# KiCad board LV08.kicad_pcb
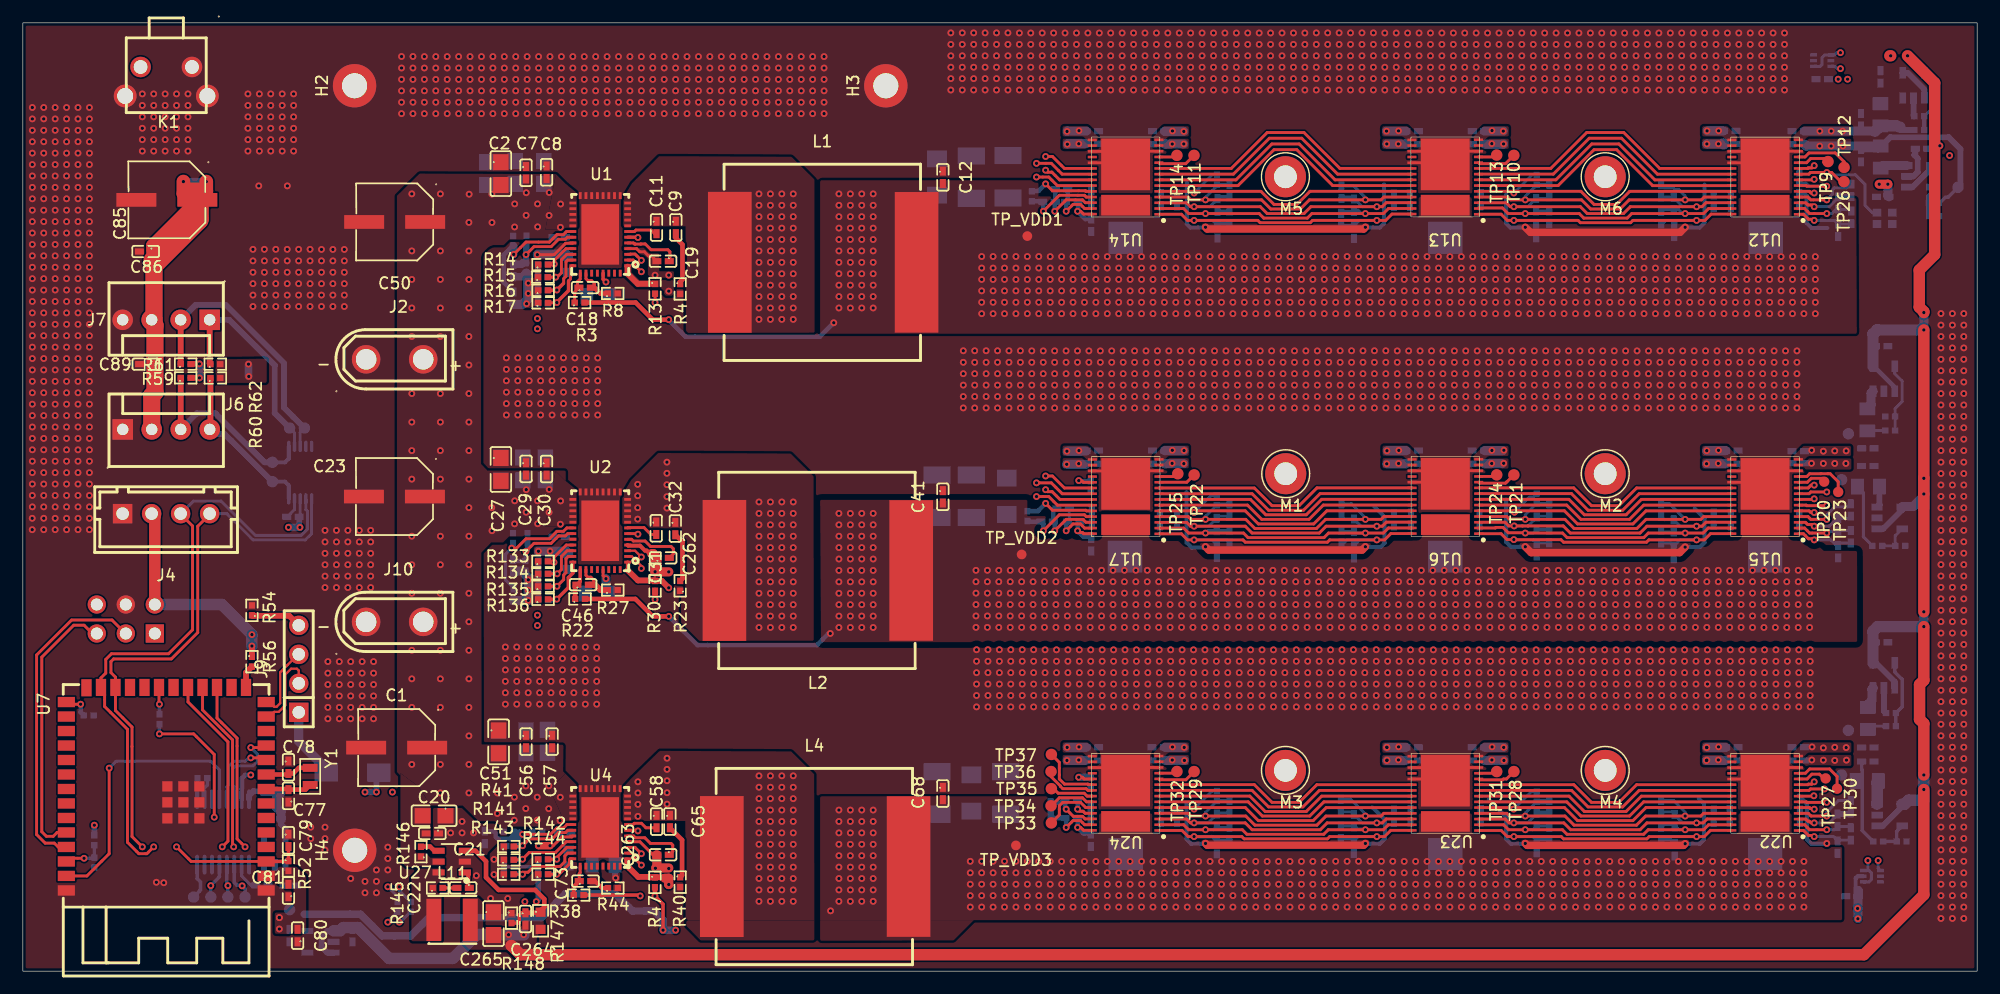
[diagram p0: board, top side]
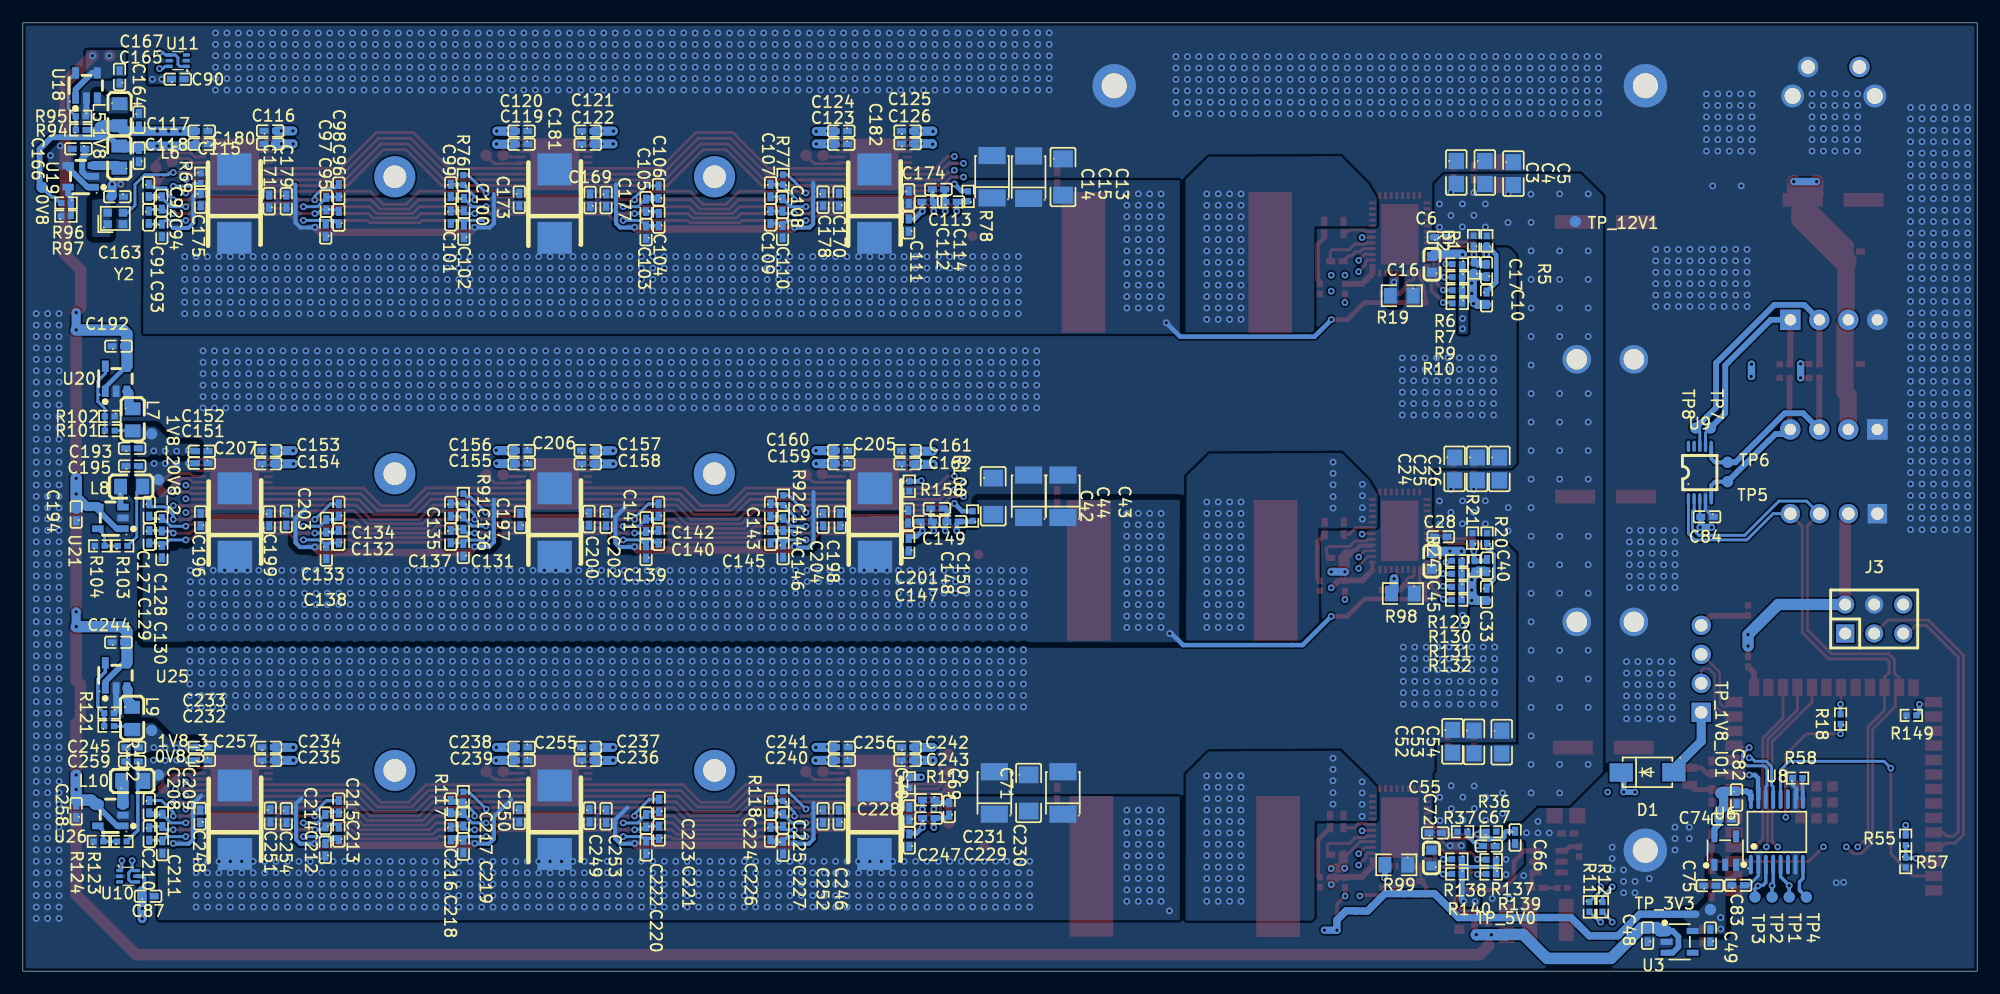
[diagram p1: board, bottom side, seen from below]

Outline 171.13 x 83.11 mm; copper layers: Top, In1.Cu, In2.Cu, In3.Cu, In4.Cu, Bottom. Coordinates in mm from the lower left corner of the outline.
Outline path: rectangle 0,83.11 171.13,0
Stack: Top 0.035mm / dielectric 0.1mm FR4 er 4.5 / In1.Cu 0.035mm / dielectric 0.535mm FR4 er 4.5 / In2.Cu 0.035mm / dielectric 0.1mm FR4 er 4.5 / In3.Cu 0.035mm / dielectric 0.535mm FR4 er 4.5 / In4.Cu 0.035mm / dielectric 0.1mm FR4 er 4.5 / Bottom 0.035mm

## Placement (name value [footprint] x y rotation side)
0V8  TestPoint  [TestPoint_Pad_D1.0mm]  169.45 68.7 180 bottom
0V8_2  TestPoint  [TestPoint_Pad_D1.0mm]  159.26 43.07 270 bottom
0V8_3  TestPoint  [TestPoint_Pad_D1.0mm]  159.26 17.2 0 bottom
1V8  TestPoint  [TestPoint_Pad_D1.0mm]  164.35 73.97 180 bottom
1V8_2  TestPoint  [TestPoint_Pad_D1.0mm]  159.86 47.09 270 bottom
1V8_3  TestPoint  [TestPoint_Pad_D1.0mm]  159.86 21.1 0 bottom
C1  220uF  [CAP-SMD_BD6.3-L6.6-W6.6-FD]  32.73 19.59 180 top
C2  22uF  [C0805]  41.86 69.9 270 top
C3  22uF  [C0805]  45.61 70 270 bottom
C4  22uF  [C0805]  43.11 70 270 bottom
C5  22uF  [C0805]  40.61 69.9 270 bottom
C6  1uF  [C0402]  46.96 64.32 180 bottom
C7  4.7nF  [C0402]  44.06 69.97 270 top
C8  2.2nF  [C0402]  45.86 70.02 270 top
C9  1nF  [C0402]  57.18 65.18 270 top
C10  1uF  [C0402]  42.96 58.97 270 bottom
C11  100nF  [C0402]  55.49 65.17 270 top
C12  2.2nF  [C0402]  80.56 69.57 270 top
C13  47uF  [C1206]  80.05 69.6 270 bottom
C14  100uF  [CASE-B_3528]  86.26 69.62 90 bottom
C15  100uF  [CASE-B_3528]  83.06 69.58 90 bottom
C16  4.7uF  [C0603]  47.74 61.95 90 bottom
C17  100nF  [C0402]  42.96 61.41 90 bottom
C18  100pF  [C0402]  49.24 59.9 0 top
C19  1uF  [C0402]  56.06 62.22 180 top
C20  22uF  [C0805]  36.01 13.62 180 top
C21  100nF  [C0402]  35.86 12.07 180 top
C22  100nF  [C0402]  38.55 7.3 180 top
C23  220uF  [CAP-SMD_BD6.3-L6.6-W6.6-FD]  32.54 41.59 180 top
C24  22uF  [C0805]  45.76 44.02 270 bottom
C25  22uF  [C0805]  43.79 44.02 270 bottom
C26  22uF  [C0805]  41.84 44.02 270 bottom
C27  22uF  [C0805]  41.86 43.97 270 top
C28  1uF  [C0402]  46.96 38.07 180 bottom
C29  4.7nF  [C0402]  44.06 44.02 270 top
C30  2.2nF  [C0402]  45.86 44.01 270 top
C31  100nF  [C0402]  55.46 38.82 270 top
C32  1nF  [C0402]  57.13 38.79 270 top
C33  1uF  [C0402]  42.96 33.02 270 bottom
C40  100nF  [C0402]  42.92 35.54 90 bottom
C41  2.2nF  [C0402]  80.56 41.57 270 top
C42  47uF  [C1206]  86.16 41.62 270 bottom
C43  100uF  [CASE-B_3528]  80.06 41.62 90 bottom
C44  100uF  [CASE-B_3528]  83.06 41.62 90 bottom
C45  4.7uF  [C0603]  47.74 35.92 90 bottom
C46  100pF  [C0402]  49.06 33.87 0 top
C48  1uF  [C0402]  28.86 3.12 90 bottom
C49  1uF  [C0402]  23.36 3.12 90 bottom
C50  220uF  [CAP-SMD_BD6.3-L6.6-W6.6-FD]  32.56 65.66 180 top
C51  22uF  [C0805]  41.66 20.09 270 top
C52  22uF  [C0805]  45.94 20.15 270 bottom
C53  22uF  [C0805]  44.06 20.1 270 bottom
C54  22uF  [C0805]  41.63 20.07 270 bottom
C55  4.7nF  [C0402]  47.46 12.12 180 bottom
C56  1uF  [C0402]  44.06 20.12 270 top
C57  2.2nF  [C0402]  46.35 20.12 270 top
C58  100nF  [C0402]  55.49 13.11 270 top
C65  1nF  [C0402]  56.66 13.12 270 top
C66  1uF  [C0402]  40.46 11.72 270 bottom
C67  100nF  [C0402]  42.76 10.97 0 bottom
C68  2.2nF  [C0402]  80.56 15.57 270 top
C69  47uF  [C1206]  83.06 15.62 270 bottom
C70  100uF  [CASE-B_3528]  86.06 15.62 90 bottom
C71  100uF  [CASE-B_3528]  80.06 15.62 90 bottom
C72  4.7uF  [C0603]  47.79 9.92 90 bottom
C73  100pF  [C0402]  49.27 7.9 0 top
C74  1uF  [C0402]  22.06 13.32 0 bottom
C75  1uF  [C0402]  23.41 7.5 180 bottom
C77  6.8pF  [C0402]  23.26 15.37 90 top
C78  6.8pF  [C0402]  23.26 17.87 270 top
C79  1uF  [C0402]  23.26 11.47 270 top
C80  100nF  [C0402]  24.06 3.12 90 top
C81  10uF  [C0402]  23.26 7.07 90 top
C82  100nF  [C0402]  21.06 15.22 270 bottom
C83  100nF  [C0402]  20.93 7.52 180 bottom
C84  100nF  [C0402]  23.66 39.82 0 bottom
C85  220uF  [CAP-SMD_BD6.3-L6.6-W6.6-FD]  12.61 67.59 180 top
C86  100nF  [C0402]  10.76 63.07 180 top
C87  100nF  [C0402]  160.16 6.57 180 bottom
C89  100nF  [C0402]  10.77 53.2 180 top
C90  100nF  [C0402]  157.56 78.17 180 bottom
C91  1uF  [C0402]  160.11 68.42 270 bottom
C92  1uF  [C0402]  158.96 67.32 270 bottom
C93  1uF  [C0402]  160.11 66.07 270 bottom
C94  1uF  [C0402]  158.96 64.92 270 bottom
C95  1uF  [C0402]  144.61 64.92 90 bottom
C96  1uF  [C0402]  143.46 66.05 90 bottom
C97  1uF  [C0402]  144.56 67.27 90 bottom
C98  1uF  [C0402]  143.46 68.4 90 bottom
C99  1uF  [C0402]  133.66 68.42 270 bottom
C100  1uF  [C0402]  132.51 67.17 270 bottom
C101  1uF  [C0402]  133.66 66.07 270 bottom
C102  1uF  [C0402]  132.51 64.82 90 bottom
C103  1uF  [C0402]  116.56 64.77 90 bottom
C104  1uF  [C0402]  115.44 65.87 90 bottom
C105  1uF  [C0402]  116.56 67.12 90 bottom
C106  1uF  [C0402]  115.46 68.27 90 bottom
C107  1uF  [C0402]  105.66 68.42 270 bottom
C108  1uF  [C0402]  104.61 67.15 270 bottom
C109  1uF  [C0402]  105.66 66.07 270 bottom
C110  1uF  [C0402]  104.61 64.81 270 bottom
C111  1uF  [C0402]  93.56 65.37 90 bottom
C112  1uF  [C0402]  91.86 67.42 180 bottom
C113  1uF  [C0402]  90.96 68.52 180 bottom
C114  1uF  [C0402]  89.86 67.42 180 bottom
C115  1uF  [C0402]  149.47 72.5 180 bottom
C116  1uF  [C0402]  149.47 73.64 180 bottom
C117  1uF  [C0402]  155.46 73.62 0 bottom
C118  1uF  [C0402]  155.46 72.47 0 bottom
C119  1uF  [C0402]  127.46 72.47 0 bottom
C120  1uF  [C0402]  127.46 73.62 0 bottom
C121  1uF  [C0402]  121.66 73.62 180 bottom
C122  1uF  [C0402]  121.66 72.47 180 bottom
C123  1uF  [C0402]  99.46 72.47 0 bottom
C124  1uF  [C0402]  99.46 73.62 0 bottom
C125  1uF  [C0402]  93.66 73.62 180 bottom
C126  1uF  [C0402]  93.66 72.52 180 bottom
C127  1uF  [C0402]  160.06 40.42 270 bottom
C128  1uF  [C0402]  158.96 39.12 270 bottom
C129  1uF  [C0402]  160.06 38.07 270 bottom
C130  1uF  [C0402]  158.96 36.77 270 bottom
C131  1uF  [C0402]  132.56 36.92 90 bottom
C132  1uF  [C0402]  143.46 38.07 90 bottom
C133  1uF  [C0402]  144.56 39.02 90 bottom
C134  1uF  [C0402]  143.46 40.42 90 bottom
C135  1uF  [C0402]  133.66 40.42 270 bottom
C136  1uF  [C0402]  132.56 39.27 270 bottom
C137  1uF  [C0402]  133.66 38.09 270 bottom
C138  1uF  [C0402]  144.56 36.7 270 bottom
C139  1uF  [C0402]  116.56 36.75 90 bottom
C140  1uF  [C0402]  115.46 38.07 90 bottom
C141  1uF  [C0402]  116.56 39.07 90 bottom
C142  1uF  [C0402]  115.46 40.42 90 bottom
C143  1uF  [C0402]  105.66 40.42 270 bottom
C144  1uF  [C0402]  104.53 39.15 270 bottom
C145  1uF  [C0402]  105.66 38.07 270 bottom
C146  1uF  [C0402]  104.56 36.82 270 bottom
C147  1uF  [C0402]  93.56 37.37 90 bottom
C148  1uF  [C0402]  92.03 39.4 180 bottom
C149  1uF  [C0402]  91.09 40.55 180 bottom
C150  1uF  [C0402]  89.68 39.4 180 bottom
C151  1uF  [C0402]  155.46 44.52 0 bottom
C152  1uF  [C0402]  155.46 45.57 0 bottom
C153  1uF  [C0402]  149.66 45.62 180 bottom
C154  1uF  [C0402]  149.66 44.47 180 bottom
C155  1uF  [C0402]  127.46 44.47 0 bottom
C156  1uF  [C0402]  127.46 45.62 0 bottom
C157  1uF  [C0402]  121.66 45.62 180 bottom
C158  1uF  [C0402]  121.66 44.47 180 bottom
C159  1uF  [C0402]  99.46 44.47 0 bottom
C160  1uF  [C0402]  99.46 45.62 0 bottom
C161  1uF  [C0402]  93.66 45.62 180 bottom
C162  1uF  [C0402]  93.66 44.47 180 bottom
C163  100nF  [C0402]  162.86 67.87 0 bottom
C164  10uF  [C0402]  162.66 78.37 90 bottom
C165  10uF  [C0402]  160.96 74.62 270 bottom
C166  10uF  [C0402]  166.26 72.07 0 bottom
C167  10uF  [C0402]  160.96 71.47 90 bottom
C169  100nF  [C0402]  121.46 67.57 90 bottom
C170  100nF  [C0402]  99.66 67.62 90 bottom
C171  100nF  [C0402]  149.56 67.47 90 bottom
C173  1uF  [C0402]  127.66 67.62 270 bottom
C174  1uF  [C0402]  93.56 67.82 270 bottom
C175  1uF  [C0402]  155.56 67.62 270 bottom
C177  10uF  [C0402]  120.06 67.57 270 bottom
C178  10uF  [C0402]  101.06 67.62 270 bottom
C179  10uF  [C0402]  148.06 67.47 270 bottom
C180  330uF  [CASE-D_7343]  152.61 67.27 270 bottom
C181  330uF  [CASE-D_7343]  124.56 67.27 270 bottom
C182  330uF  [CASE-D_7343]  96.56 67.27 270 bottom
C192  10uF  [C0402]  162.76 54.77 180 bottom
C193  10uF  [C0402]  161.56 45.82 180 bottom
C194  10uF  [C0402]  166.46 40.02 90 bottom
C195  10uF  [C0402]  161.56 44.27 180 bottom
C196  100nF  [C0402]  155.56 39.57 90 bottom
C197  100nF  [C0402]  127.56 39.57 90 bottom
C198  100nF  [C0402]  99.56 39.57 90 bottom
C199  1uF  [C0402]  149.56 39.57 270 bottom
C200  1uF  [C0402]  121.56 39.62 270 bottom
C201  1uF  [C0402]  93.61 39.82 270 bottom
C202  10uF  [C0402]  120.06 39.57 270 bottom
C203  10uF  [C0402]  148.06 39.62 270 bottom
C204  10uF  [C0402]  101.06 39.57 270 bottom
C205  330uF  [CASE-D_7343]  96.51 39.32 270 bottom
C206  330uF  [CASE-D_7343]  124.56 39.32 270 bottom
C207  330uF  [CASE-D_7343]  152.56 39.32 270 bottom
C208  1uF  [C0402]  160.06 14.42 270 bottom
C209  1uF  [C0402]  158.91 13.22 270 bottom
C210  1uF  [C0402]  160.06 12.02 270 bottom
C211  1uF  [C0402]  158.91 10.88 270 bottom
C212  1uF  [C0402]  144.64 10.65 90 bottom
C213  1uF  [C0402]  143.46 12.07 90 bottom
C214  1uF  [C0402]  144.64 13.19 90 bottom
C215  1uF  [C0402]  143.46 14.42 90 bottom
C216  1uF  [C0402]  133.66 14.42 270 bottom
C217  1uF  [C0402]  132.56 13.27 270 bottom
C218  1uF  [C0402]  133.66 12.07 270 bottom
C219  1uF  [C0402]  132.56 10.92 270 bottom
C220  1uF  [C0402]  116.55 10.85 90 bottom
C221  1uF  [C0402]  115.41 12.17 90 bottom
C222  1uF  [C0402]  116.55 13.19 90 bottom
C223  1uF  [C0402]  115.41 14.52 90 bottom
C224  1uF  [C0402]  105.66 14.42 270 bottom
C225  1uF  [C0402]  104.56 13.22 270 bottom
C226  1uF  [C0402]  105.66 12.07 270 bottom
C227  1uF  [C0402]  104.56 10.82 270 bottom
C228  1uF  [C0402]  93.51 11.47 90 bottom
C229  1uF  [C0402]  91.81 13.42 180 bottom
C230  1uF  [C0402]  90.01 14.22 90 bottom
C231  1uF  [C0402]  91.81 15.02 0 bottom
C232  1uF  [C0402]  155.46 18.47 0 bottom
C233  1uF  [C0402]  155.46 19.62 0 bottom
C234  1uF  [C0402]  149.66 19.62 180 bottom
C235  1uF  [C0402]  149.66 18.47 180 bottom
C236  1uF  [C0402]  121.66 18.47 180 bottom
C237  1uF  [C0402]  121.66 19.62 180 bottom
C238  1uF  [C0402]  127.46 19.62 0 bottom
C239  1uF  [C0402]  127.46 18.47 0 bottom
C240  1uF  [C0402]  99.42 18.47 0 bottom
C241  1uF  [C0402]  99.41 19.62 0 bottom
C242  1uF  [C0402]  93.66 19.62 180 bottom
C243  1uF  [C0402]  93.66 18.47 180 bottom
C244  10uF  [C0402]  162.76 28.82 180 bottom
C245  10uF  [C0402]  161.56 19.61 180 bottom
C246  100nF  [C0402]  99.66 13.57 90 bottom
C247  100nF  [C0402]  93.51 13.82 90 bottom
C248  100nF  [C0402]  155.61 13.57 90 bottom
C249  1uF  [C0402]  121.51 13.62 270 bottom
C250  1uF  [C0402]  127.66 13.62 270 bottom
C251  1uF  [C0402]  149.46 13.62 270 bottom
C252  10uF  [C0402]  101.06 13.57 270 bottom
C253  10uF  [C0402]  120.06 13.57 270 bottom
C254  10uF  [C0402]  148.06 13.57 270 bottom
C255  330uF  [CASE-D_7343]  124.56 13.27 270 bottom
C256  330uF  [CASE-D_7343]  96.56 13.27 270 bottom
C257  330uF  [CASE-D_7343]  152.56 13.27 270 bottom
C258  10uF  [C0402]  166.46 14.02 90 bottom
C259  10uF  [C0402]  161.56 18.37 180 bottom
C262  1uF  [C0402]  56.06 36.22 0 top
C263  1uF  [C0402]  56.06 10.2 180 top
C264  33pF  [C0402]  44.01 4.57 270 top
C265  22uF  [C0805]  41.21 4.17 270 top
D1  SS310  [SMA_L4.3-W2.6-LS5.0-FD]  28.86 17.42 0 bottom
H2  TestPoint  [MountingHole_2.2mm_M2_DIN965_Pad]  29.05 77.6 90 top
H3  TestPoint  [MountingHole_2.2mm_M2_DIN965_Pad]  75.57 77.59 90 top
H4  TestPoint  [MountingHole_2.2mm_M2_DIN965_Pad]  29.06 10.59 90 top
J2  XT30UPB-M  [CONN-TH_XT30UPB-M]  32.56 53.62 0 top
J3  A2541WV-2X3P  [HDR-TH_6P-P2.54-V-R2-C3-S2.54_A2541WV-2X3P]  9.02 30.86 180 bottom
J4  B4B-XH-AM(LF)(SN)  [CONN-TH_B4B-XH-AM-LF-SN]  12.55 40.09 180 top
J6  22-11-2042  [CONN-TH_22112042]  12.56 47.48 0 top
J7  22-11-2042  [CONN-TH_22112042]  12.55 57.08 180 top
J9  A2541WV-4P_C5346656  [HDR-TH_4P-P2.54-V-M]  24.16 26.5 90 top
J10  XT30UPB-M  [CONN-TH_XT30UPB-M]  32.56 30.61 0 top
K1  K2-1102AQ-C4CW-01  [SW-TH_K2-1102AQ-C4CW-01]  12.56 77.97 180 top
L1  680nH  [IND-SMD_L17.2-W17.2]  70.08 62.12 0 top
L2  680nH  [IND-SMD_L17.2-W17.2]  69.61 35.12 0 top
L4  680nH  [IND-SMD_L17.2-W17.2]  69.38 9.17 0 top
L5  2.2uH  [L0805]  162.66 75.05 270 bottom
L6  2.2uH  [L0805]  162.69 71.34 90 bottom
L7  2.2uH  [L0805]  161.51 48.32 270 bottom
L8  2.2uH  [L0805]  161.61 42.47 180 bottom
L9  2.2uH  [L0805]  161.56 22.15 270 bottom
L10  2.2uH  [L0805]  161.51 16.67 180 bottom
L11  SWPA4030S3R3MT  [IND-SMD_L4.0-W4.0_SMNR4012]  37.59 4.5 0 top
M1  TestPoint  [TestPoint_Loop_D3.80mm_Drill2.0mm]  110.59 43.59 0 top
M2  TestPoint  [TestPoint_Loop_D3.80mm_Drill2.0mm]  138.56 43.59 0 top
M3  TestPoint  [TestPoint_Loop_D3.80mm_Drill2.0mm]  110.56 17.59 0 top
M4  TestPoint  [TestPoint_Loop_D3.80mm_Drill2.0mm]  138.56 17.59 0 top
M5  TestPoint  [TestPoint_Loop_D3.80mm_Drill2.0mm]  110.56 69.62 0 top
M6  TestPoint  [TestPoint_Loop_D3.80mm_Drill2.0mm]  138.56 69.62 0 top
R1  10Ω  [R0402]  42.93 64 90 bottom
R2  12.7kΩ  [R0402]  44.1 64.01 90 bottom
R3  1.37kΩ  [R0402]  48.75 58.59 0 top
R4  1Ω  [R0402]  57.56 59.79 270 top
R5  1.37kΩ  [R0402]  44.06 61.63 90 bottom
R6  NC  [R0402]  45.53 61.97 0 bottom  (not fitted)
R7  48.7kΩ  [R0402]  45.53 60.82 0 bottom
R8  49.9Ω  [R0402]  51.65 59.39 0 top
R9  NC  [R0402]  45.53 59.67 0 bottom  (not fitted)
R10  8.25kΩ  [R0402]  45.53 58.52 0 bottom
R11  0Ω  [R0402]  33.96 5.64 270 bottom
R12  0Ω  [R0402]  32.81 5.64 270 bottom
R13  10kΩ  [R0402]  55.36 59.8 270 top
R14  0Ω  [R0402]  45.56 61.92 0 top
R15  31.6kΩ  [R0402]  45.54 60.82 0 top
R16  0Ω  [R0402]  45.56 59.67 0 top
R17  8.25kΩ  [R0402]  45.56 58.57 0 top
R18  0Ω  [R0402]  11.96 22.09 90 bottom
R19  0Ω  [R0805]  50.38 59.2 0 bottom
R20  10Ω  [R0402]  42.92 37.95 90 bottom
R21  12.7kΩ  [R0402]  44.19 37.95 90 bottom
R22  1.37kΩ  [R0402]  48.79 32.62 0 top
R23  1Ω  [R0402]  57.56 33.77 90 top
R24  1.37kΩ  [R0402]  44.01 35.52 90 bottom
R27  49.9Ω  [R0402]  51.66 33.4 0 top
R30  10kΩ  [R0402]  55.36 33.77 270 top
R36  10Ω  [R0402]  42.54 12.22 180 bottom
R37  12.7kΩ  [R0402]  45.06 12.22 0 bottom
R38  1.37kΩ  [R0402]  48.67 6.67 0 top
R40  1Ω  [R0402]  57.56 7.8 270 top
R41  1.37kΩ  [R0402]  42.55 10.93 0 top
R44  49.9Ω  [R0402]  51.67 7.29 0 top
R47  10kΩ  [R0402]  55.35 7.79 270 top
R52  10kΩ  [R0402]  23.26 9.22 270 top
R54  5.1kΩ  [R0402]  20.06 31.62 90 top
R55  7.87kΩ  [R0402]  6.26 11.47 90 bottom
R56  0Ω  [R0402]  20.06 27.12 270 top
R57  22.1kΩ  [R0402]  6.26 9.52 270 bottom
R58  20kΩ  [R0402]  15.73 16.92 180 bottom
R59  5.6kΩ  [R0402]  14.26 52 0 top
R60  10kΩ  [R0402]  16.86 51.99 0 top
R61  5.6kΩ  [R0402]  14.26 53.2 0 top
R62  10kΩ  [R0402]  16.85 53.19 0 top
R69  10kΩ  [R0402]  155.56 69.49 270 bottom
R76  2kΩ  [R0402]  132.56 69.34 90 bottom
R77  2kΩ  [R0402]  104.56 69.37 90 bottom
R78  2kΩ  [R0402]  88.36 67.9 90 bottom
R91  2kΩ  [R0402]  132.56 41.42 90 bottom
R92  2kΩ  [R0402]  104.53 41.27 90 bottom
R94  200kΩ  [R0402]  166.06 73.72 180 bottom
R95  100kΩ  [R0402]  166.06 74.92 0 bottom
R96  100kΩ  [R0402]  167.34 67.32 0 bottom
R97  300kΩ  [R0402]  167.36 66.17 180 bottom
R98  0Ω  [R0805]  50.29 33.09 0 bottom
R99  0Ω  [R0805]  50.86 9.32 0 bottom
R100  2kΩ  [R0402]  87.96 39.89 90 bottom
R101  200kΩ  [R0402]  163.51 47.37 180 bottom
R102  100kΩ  [R0402]  163.51 48.62 0 bottom
R103  100kΩ  [R0402]  162.39 37.27 180 bottom
R104  300kΩ  [R0402]  164.39 37.27 180 bottom
R117  2kΩ  [R0402]  132.56 15.29 90 bottom
R118  2kΩ  [R0402]  104.56 15.35 90 bottom
R119  33Ω  [R0402]  93.51 16.5 270 bottom  (not fitted)
R121  200kΩ  [R0402]  163.58 21.47 180 bottom
R122  100kΩ  [R0402]  163.58 22.62 0 bottom
R123  100kΩ  [R0402]  162.46 11.37 180 bottom
R124  300kΩ  [R0402]  164.51 11.37 180 bottom
R129  NC  [R0402]  45.58 35.97 0 bottom  (not fitted)
R130  48.7kΩ  [R0402]  45.58 34.82 0 bottom
R131  NC  [R0402]  45.58 33.67 0 bottom  (not fitted)
R132  8.25kΩ  [R0402]  45.58 32.52 0 bottom
R133  0Ω  [R0402]  45.55 35.92 0 top
R134  31.6kΩ  [R0402]  45.55 34.82 0 top
R135  0Ω  [R0402]  45.55 33.73 0 top
R136  8.25kΩ  [R0402]  45.56 32.59 0 top
R137  NC  [R0402]  42.56 9.77 0 bottom  (not fitted)
R138  48.7kΩ  [R0402]  45.56 9.82 0 bottom
R139  NC  [R0402]  42.56 8.52 0 bottom  (not fitted)
R140  8.25kΩ  [R0402]  45.56 8.52 0 bottom
R141  0Ω  [R0402]  42.55 9.76 0 top
R142  31.6kΩ  [R0402]  45.56 9.8 0 top
R143  0Ω  [R0402]  42.55 8.49 0 top
R144  8.25kΩ  [R0402]  45.56 8.5 0 top
R145  1Ω  [R0402]  36.32 7.29 0 top
R146  100kΩ  [R0402]  34.86 10.47 90 top
R147  40.2kΩ  [R0603]  45.34 4.42 270 top
R148  5.49kΩ  [R0402]  42.79 4.65 270 top
R149  0Ω  [R0402]  5.76 22.42 180 bottom  (not fitted)
R150  33Ω  [R0402]  93.51 42.5 270 bottom  (not fitted)
TP1  TestPoint  [TestPoint_Pad_D1.0mm]  16.46 6.5 270 bottom
TP2  TestPoint  [TestPoint_Pad_D1.0mm]  17.96 6.5 270 bottom
TP3  TestPoint  [TestPoint_Pad_D1.0mm]  19.46 6.5 270 bottom
TP4  TestPoint  [TestPoint_Pad_D1.0mm]  14.95 6.5 270 bottom
TP5  TestPoint  [TestPoint_Pad_D1.0mm]  21.86 42.9 270 bottom
TP6  TestPoint  [TestPoint_Pad_D1.0mm]  21.85 44.6 270 bottom
TP7  TestPoint  [TestPoint_Pad_D1.0mm]  23.36 47.6 270 bottom
TP8  TestPoint  [TestPoint_Pad_D1.0mm]  24.66 47.6 270 bottom
TP9  TestPoint  [TestPoint_Pad_D1.0mm]  158.07 70.95 0 top
TP10  TestPoint  [TestPoint_Pad_D1.0mm]  130.56 71.5 0 top
TP11  TestPoint  [TestPoint_Pad_D1.0mm]  102.55 71.5 0 top
TP12  TestPoint  [TestPoint_Pad_D1.0mm]  159.48 70.44 0 top
TP13  TestPoint  [TestPoint_Pad_D1.0mm]  129.06 71.52 0 top
TP14  TestPoint  [TestPoint_Pad_D1.0mm]  101.06 71.5 0 top
TP20  TestPoint  [TestPoint_Pad_D1.0mm#2]  157.74 42.9 0 top
TP21  TestPoint  [TestPoint_Pad_D1.0mm]  130.56 43.49 270 top
TP22  TestPoint  [TestPoint_Pad_D1.0mm]  102.56 43.49 0 top
TP23  TestPoint  [TestPoint_Pad_D1.0mm#2]  158.96 42 0 top
TP24  TestPoint  [TestPoint_Pad_D1.0mm]  129.06 43.5 270 top
TP25  TestPoint  [TestPoint_Pad_D1.0mm]  101.14 43.59 0 top
TP26  TestPoint  [TestPoint_Pad_D1.0mm]  159.46 69.19 0 top
TP27  TestPoint  [TestPoint_Pad_D1.0mm#2]  157.86 16.89 0 top
TP28  TestPoint  [TestPoint_Pad_D1.0mm]  130.56 17.49 0 top
TP29  TestPoint  [TestPoint_Pad_D1.0mm]  102.56 17.49 0 top
TP30  TestPoint  [TestPoint_Pad_D1.0mm#2]  158.86 15.99 0 top
TP31  TestPoint  [TestPoint_Pad_D1.0mm]  129.06 17.49 0 top
TP32  TestPoint  [TestPoint_Pad_D1.0mm]  101.06 17.5 0 top
TP33  TestPoint  [TestPoint_Pad_D1.0mm]  90.06 12.99 0 top
TP34  TestPoint  [TestPoint_Pad_D1.0mm]  90.03 14.5 270 top
TP35  TestPoint  [TestPoint_Pad_D1.0mm]  90.06 15.99 0 top
TP36  TestPoint  [TestPoint_Pad_D1.0mm]  90.03 17.5 0 top
TP37  TestPoint  [TestPoint_Pad_D1.0mm]  90.06 18.99 270 top
TP_1V8_IO1  TestPoint  [TestPoint_Pad_D1.0mm]  22.46 15.6 180 bottom
TP_3V3  TestPoint  [TestPoint_Pad_D1.0mm]  23.36 5.4 180 bottom
TP_5V0  TestPoint  [TestPoint_Pad_D1.0mm]  41.26 3.2 180 bottom
TP_12V1  TestPoint  [TestPoint_Pad_D1.0mm]  35.2 65.69 180 bottom
TP_VDD1  TestPoint  [TestPoint_Pad_D1.0mm#3]  87.96 64.42 0 top
TP_VDD2  TestPoint  [TestPoint_Pad_D1.0mm#3]  87.46 36.52 0 top
TP_VDD3  TestPoint  [TestPoint_Pad_D1.0mm#3]  86.96 11.02 0 top
U1  TPS546D24ARVFR  [LQFN-40_L7.0-W5.0-P0.50-BL-EP]  50.56 64.57 90 top
U2  TPS546D24ARVFR  [LQFN-40_L7.0-W5.0-P0.50-BL-EP]  50.56 38.6 90 top
U3  RT9080-33GJ5  [TSOT-23-5_L2.9-W1.6-P0.95-LS2.8-BL]  26.06 2.57 270 bottom
U4  TPS546D24ARVFR  [LQFN-40_L7.0-W5.0-P0.50-BL-EP]  50.55 12.6 90 top
U6  TPMIC5504-1_8YM5  [SOT-23-5_L3.0-W1.5-P0.95-LS2.8-BL]  22.06 10.57 180 bottom
U7  ESP32-S3-WROOM-1(N16R8)  [WIRELM-SMD_ESP32-S3-WROOM-1]  12.56 15.97 180 top
U8  SN74AVC4T774PWR  [TSSOP-16_L5.0-W4.4-P0.65-LS6.4-BL]  17.54 12.2 180 bottom
U9  EMC2302-1-AIZL-TR  [MSOP-10_L3.0-W3.0-P0.50-LS4.9-BL]  24.29 43.69 180 bottom
U10  TMP1075NDRLR  [SOT-563_L1.6-W1.2-P0.50-LS1.6-BR]  161.91 8.32 0 bottom
U11  TMP1075NDRLR  [SOT-563_L1.6-W1.2-P0.50-LS1.6-BR]  157.56 79.79 180 bottom
U12  BM1366_mode1  [BM1366]  152.56 69.6 180 top
U13  BM1366_mode1  [BM1366]  124.55 69.6 180 top
U14  BM1366_mode1  [BM1366]  96.56 69.6 180 top
U15  BM1366_mode1  [BM1366]  152.56 41.59 180 top
U16  BM1366_mode1  [BM1366]  124.56 41.6 180 top
U17  BM1366_mode1  [BM1366]  96.57 41.59 180 top
U18  ETA3496S2F  [SOT-23-5_L2.9-W1.6-P0.95-LS2.8-BR]  165.56 77.62 270 bottom
U19  ETA3496S2F  [SOT-23-5_L2.9-W1.6-P0.95-LS2.8-BR]  166.06 69.66 180 bottom
U20  ETA3496S2F  [SOT-23-5_L2.9-W1.6-P0.95-LS2.8-BR]  162.96 51.92 270 bottom
U21  ETA3496S2F  [SOT-23-5_L2.9-W1.6-P0.95-LS2.8-BR]  163.46 39.72 180 bottom
U22  BM1366_mode1  [BM1366]  152.56 15.59 180 top
U23  BM1366_mode1  [BM1366]  124.56 15.59 180 top
U24  BM1366_mode1  [BM1366]  96.56 15.59 180 top
U25  ETA3496S2F  [SOT-23-5_L2.9-W1.6-P0.95-LS2.8-BR]  162.96 25.92 270 bottom
U26  ETA3496S2F  [SOT-23-5_L2.9-W1.6-P0.95-LS2.8-BR]  163.46 13.68 180 bottom
U27  TMI3252SH  [SOT-23-6_L2.9-W1.6-P0.95-LS2.8-BL]  37.56 9.6 90 top
Y1  SC-20S32_768kHz20PPM7pF  [OSC-SMD_L2.0-W1.2]  25.16 17.07 90 top
Y2  G201625MUBCE2O  [CRYSTAL-SMD_4P-L2.0-W1.6-BL-1]  163.03 65.97 180 bottom
